# Altium PCB PCB_Chassisv1.0.PcbDoc (part 2 of 3)
Units mm, origin at the board's own origin, x right, y up, seen from the top; angles counter-clockwise.
Board outline 160 x 200 mm, 2 copper layers (Top Layer, Bottom Layer); 226 components, 223 nets, 912 pads, 760 vias.
Unrouted connection lines stored in the file: 149.
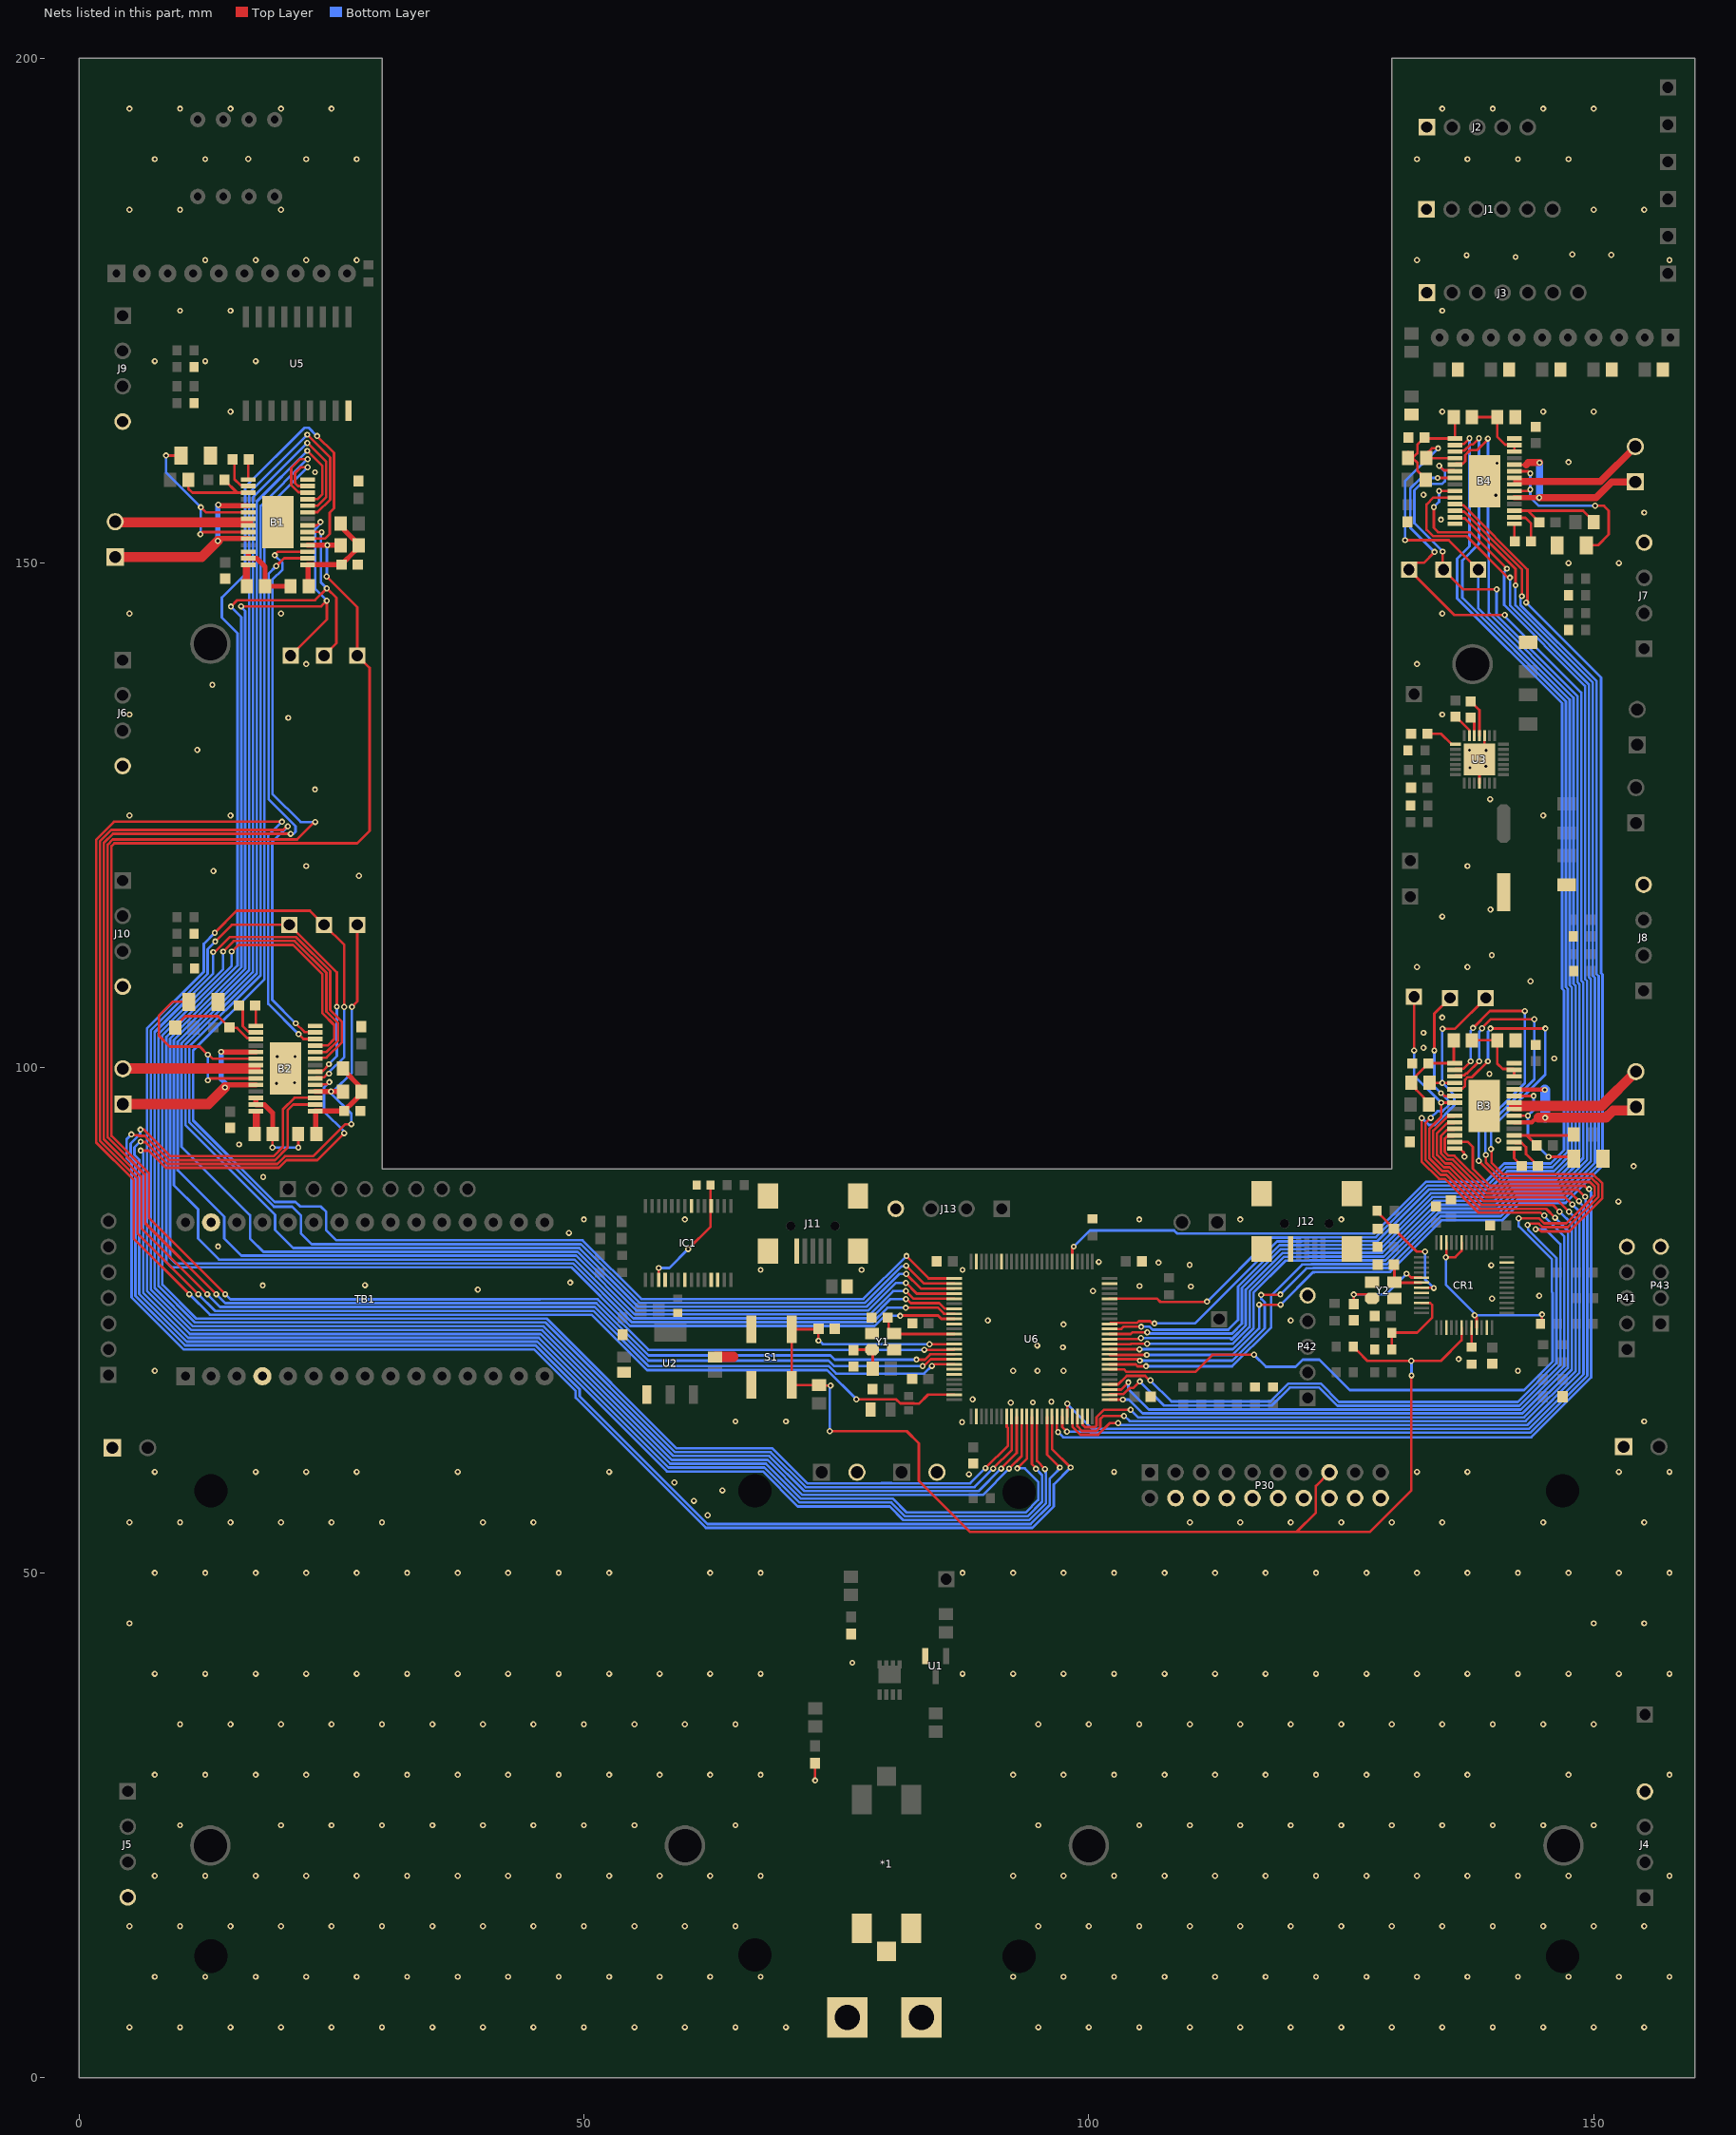
[diagram p2: the nets of this part, all layers, seen from the top]

## Via types
v1: diameter 0.6, hole 0.3, Top Layer to Bottom Layer, tented both sides, 760 vias

## Nets (pads, with @x,y where several pads share a name; then routed paths per layer and width w, separated by ;. In a path a pad name is that pad's centre, name@x,y a point inside that pad or via, vN(x,y) a via of type N, cw(c..) or ccw(c..) an arc to the next point about the centre after c; other vN are vias at no path point) (continued)
GND: B1.14 B1.28 B1.29 B2.14 B2.28 B2.29 B3.14 B3.28 B3.29 B4.14 B4.28 B4.29 C1.1 C2.1 C10.2 C12.1 C13.2 C18.2 C19.2 C20.1 C21.1 C26.2 C27.2 C28.1 C29.1 C30.1 C31.1 C32.1 C33.1 C34.1 C35.1 C36.1 C37.1 C38.1 C39.1 C40.1 C41.1 C42.1 C43.1 C44.1 C45.1 C46.1 C47.1 C48.1 C49.1 C50.1 C51.1 CR1.8 CR1.23 CR1.35 CR1.47 D1.1 D2.1 D3.1 D10.1 D11.1 D12.1 D13.1 D17.1 IC1.7 IC1.18 IC1.21 IC1.25 IC1.26 J1.1 J2.1 J3.1 J4.4 J5.4 J6.4 J7.4 J8.4 J9.4 J10.4 J11.5 J11.SH1 J11.SH2 J11.SH3 J11.SH4 J12.5 J12.SH1 J12.SH2 J12.SH3 J12.SH4 J13.4 P2.2 P3.1 P4.1 P5.2 P6.1 P30.4 P30.6 P30.8 P30.10 P30.12 P30.14 P30.16 P30.18 P30.20 P41.5 P42.5 P43.4 R6.1 R7.1 R8.1 R9.1 R10.1 R12.1 R22.1 R23.1 R26.1 R27.1 R28.1 R32.1 R34.1 R35.1 R38.1 R39.1 R42.2 R43.2 R53.1 R54.1 R55.1 R56.1 R65.1 R66.1 R67.1 R68.1 R76.1 R77.1 R78.1 R92.1 R93.1 R94.1 S1.2 TB1.4 TB1.29 U1.2 U2.1 U3.3 U3.18 U3.29 U5.9 U6.10 U6.19 U6.20 U6.27 U6.49 U6.74 U6.94 U6.99 Y1.2 Y1.4 Y2.2 Y2.4 | length 14
  Top Layer w0.254: v1(72.898,29.439) D1.1@72.898,31.154 ; B3.28@136.237,92.022 136.75,92.022 137.145,91.627 137.145,91.278 v1(137.211,91.211) ; U3.18@138.684,128.194 U3.29@138.684,130.556 139.192,131.064 U3.3@139.192,132.918
  Top Layer w0.7: B1.14@16.581,149.657 16.581,147.746 R55.1@16.626,147.701 ; R56.1@17.388,93.472 17.551,93.635 17.551,95.428
  Top Layer w1: C1.1@62.992,71.362 63.029,71.399 64.795,71.399
  other v1: 5,5 10,5 15,5 20,5 25,5 30,5 35,5 40,5 45,5 50,5 55,5 60,5 65,5 70,5 95,5 100,5 105,5 110,5 115,5 120,5 125,5 130,5 135,5 140,5 145,5 150,5 155,5 7.5,10 12.5,10 17.5,10 22.5,10 27.5,10 32.5,10 37.5,10 42.5,10 47.5,10 52.5,10 57.5,10 62.5,10 67.5,10 92.5,10 97.5,10 102.5,10 107.5,10 112.5,10 117.5,10 122.5,10 127.5,10 132.5,10 137.5,10 142.5,10 147.5,10 152.5,10 157.5,10 5,15 10,15 15,15 20,15 25,15 30,15 35,15 40,15 45,15 50,15 55,15 60,15 65,15 95,15 100,15 105,15 110,15 115,15 120,15 125,15 130,15 135,15 140,15 145,15 150,15 155,15 7.5,20 12.5,20 17.5,20 22.5,20 27.5,20 32.5,20 37.5,20 42.5,20 47.5,20 52.5,20 57.5,20 62.5,20 67.5,20 92.5,20 97.5,20 102.5,20 107.5,20 112.5,20 117.5,20 122.5,20 127.5,20 132.5,20 137.5,20 142.5,20 147.5,20 157.5,20 10,25 20,25 25,25 30,25 35,25 40,25 45,25 50,25 55,25 65,25 95,25 105,25 110,25 115,25 120,25 125,25 130,25 135,25 140,25 145,25 150,25 7.5,30 12.5,30 17.5,30 22.5,30 27.5,30 32.5,30 37.5,30 42.5,30 47.5,30 52.5,30 57.5,30 62.5,30 67.5,30 92.5,30 97.5,30 102.5,30 107.5,30 112.5,30 117.5,30 122.5,30 127.5,30 132.5,30 137.5,30 147.5,30 157.5,30 10,35 15,35 20,35 25,35 30,35 35,35 40,35 45,35 50,35 55,35 60,35 65,35 95,35 100,35 105,35 110,35 115,35 120,35 125,35 130,35 135,35 140,35 145,35 150,35 7.5,40 12.5,40 17.5,40 22.5,40 27.5,40 32.5,40 37.5,40 42.5,40 47.5,40 52.5,40 57.5,40 62.5,40 67.5,40 87.5,40 92.5,40 97.5,40 102.5,40 107.5,40 112.5,40 117.5,40 122.5,40 127.5,40 132.5,40 137.5,40 142.5,40 147.5,40 152.5,40 157.5,40 76.581,41.097 5,45 150,45 155,45 7.5,50 12.5,50 17.5,50 22.5,50 27.5,50 32.5,50 37.5,50 42.5,50 47.5,50 52.5,50 62.5,50 67.5,50 87.5,50 92.5,50 97.5,50 102.5,50 107.5,50 112.5,50 117.5,50 122.5,50 127.5,50 132.5,50 137.5,50 142.5,50 147.5,50 152.5,50 157.5,50 5,55 10,55 15,55 20,55 25,55 30,55 40,55 45,55 110,55 115,55 120,55 125,55 130,55 135,55 145,55 155,55 62.255,55.702 60.884,57.125 63.703,58.166 58.953,58.953 88.138,59.766 7.5,60 17.5,60 22.5,60 27.5,60 37.5,60 52.5,60 102.5,60 132.5,60 137.5,60 152.5,60 157.5,60 87.452,64.922 65,65 70,65 155,65 92.278,66.853 94.463,66.878 96.291,66.954 88.494,67.183 7.5,70 92.5,70 94.92,70.002 97.5,70 142.5,70 136.627,71.171 97.434,72.339 94.894,72.517 97.485,74.6 90,75 120,75 139.929,77.165 144.602,77.445 100.406,77.902 39.497,78.054 110.109,78.359 105.029,78.41 18.186,78.461 28.321,78.486 48.641,78.74 67.5,80 77.5,80 87.5,80 139.852,80.467 109.982,80.493 106.909,80.721 100.99,80.797 13.767,82.321 48.514,83.668 50,85 60,85 105,85 115,85 125,85 152.451,86.766 18.237,89.205 153.949,90.272 15.85,92.431 140.538,92.837 19.558,98.476 21.336,98.552 139.675,99.416 146.101,100.94 19.634,101.143 21.387,101.143 133.147,102.006 133.147,103.48 135,105 143.739,108.585 132.5,110 137.5,110 139.903,111.176 135,115 139.776,115.697 27.711,119.024 13.31,119.507 22.5,120 137.5,120 5,125 15,125 145,125 139.751,126.619 23.368,127.584 137.744,129.743 139.319,129.87 139.344,131.445 137.693,131.47 11.709,131.496 20.726,134.671 5,135 135,135 13.208,137.947 22.5,140 132.5,140 5,145 20,145 135,145 147.5,150 152.5,150 134.874,154.305 155,155 140.31,156.718 133.147,156.769 23.368,159.004 140.411,159.893 147.5,160 15,165 135,165 145,165 150,165 7.5,170 12.5,170 17.5,170 10,175 15,175 135,175 12.5,180 17.5,180 22.5,180 27.5,180 132.5,180 157.5,180 142.265,180.315 137.414,180.492 151.74,180.518 147.879,180.569 5,185 10,185 20,185 150,185 155,185 7.5,190 12.5,190 22.5,190 27.5,190 132.5,190 137.5,190 142.5,190 147.5,190 16.763,190.025 5,195 10,195 15,195 20,195 25,195 135,195 140,195 145,195 150,195
M1-3.3V: B1.15 C20.2 R47.2 R49.2 R51.2 | length 11.1
  Top Layer w0.5: R49.2@22.744,147.701 22.684,147.762 22.684,149.801 22.659,149.826 B1.15@22.623,149.826 22.64,149.843 25.98,149.843 C20.2@25.997,149.86 27.347,151.21 27.347,151.415 R47.2@27.697,151.765 27.697,151.865 26.247,153.315 26.247,153.574 R51.2@25.897,153.924
M2-3.3V: B2.15 C21.2 R48.2 R50.2 R52.2 | length 10.8
  Top Layer w0.5: R50.2@23.506,93.472 23.446,93.533 23.446,95.699 23.421,95.724 B2.15@23.385,95.724 23.402,95.741 26.234,95.741 C21.2@26.251,95.758 27.208,96.715 27.781,97.288 27.781,97.393 27.951,97.563 R48.2@27.951,97.663 27.951,98.038 26.14,99.849 R52.2@26.14,99.949
M3-3.3V: B3.15 C28.2 R59.2 R60.2 R63.2 | length 10.4
  Top Layer w0.254: R63.2@133.742,96.393 133.742,96.493 132.415,97.82 132.415,98.079 R59.2@131.942,98.552 132.415,99.025 132.415,99.23 C28.2@133.642,100.457 133.657,100.472 136.139,100.472 B3.15@136.237,100.472 136.139,100.57 136.139,102.737 R60.2@136.133,102.743
M4-3.3V: B4.15 C29.2 R61.2 R62.2 R64.2 | length 10.9
  Top Layer w0.254: R61.2@131.342,160.696 R61.2@131.646,160.999 ; R64.2@133.361,158.242 133.361,158.342 132.542,159.161 132.542,159.928 132.069,160.401 132.54,160.872 132.54,161.712 C29.2@133.261,162.433 133.354,162.34 B4.15@136.254,162.34 136.254,164.344 R62.2@136.133,164.465
Net*1_1: *1.1 P1.1
NetB1_1: B1.1 C14.1 | length 2
  Top Layer w0.254: B1.1@16.747,158.276 16.747,160.219 C14.1@16.802,160.274
NetB1_2: B1.2 C14.2 | length 3.7
  Top Layer w0.254: C14.2@15.202,160.274 15.392,160.084 15.392,158.309 15.977,157.724 16.649,157.724 B1.2@16.747,157.626
NetB1_3: B1.3 C16.2 R45.2 | length 9.7
  Top Layer w0.254: R45.2@10.817,157.669 R45.2@10.817,158.242 10.82,158.239 10.82,157.378 11.223,156.976 16.382,156.976 16.408,157.003 15.628,157.003 C16.2@14.389,158.242
NetB1_5: B1.5 B1.10 P11.1 | length 20.6
  Top Layer w0.5: v1(13.741,152.197) 13.971,152.426 B1.10@16.747,152.426 ; v1(13.793,155.783) 13.9,155.676 B1.5@16.747,155.676
  Top Layer w1: P11.1@3.581,150.602 12.146,150.602 v1(13.741,152.197)
  Bottom Layer w0.254: v1@13.793,155.717 v1(13.793,155.783)
  Bottom Layer w0.5: v1(13.741,152.197) 13.741,155.731 v1(13.793,155.783)
NetB1_6: B1.6 B1.9 R53.2 | length 20.5
  Top Layer w0.254: v1(8.611,160.655) R53.2@10.107,160.655 ; v1(12.014,152.857) 12.233,153.076 B1.9@16.747,153.076 ; v1(12.065,155.528) 12.572,155.02 16.601,155.02 16.677,155.096 B1.6@16.747,155.026
  Bottom Layer w0.254: v1(8.611,160.655) 8.611,158.982 v1(12.065,155.528) 12.014,155.477 12.04,155.451 12.04,152.883 v1(12.014,152.857)
NetB1_7: B1.7 B1.8 P11.2 | length 13.2
  Top Layer w1: P11.2@3.581,154.102 3.632,154.051 16.747,154.051
NetB1_12: B1.12 B1.13 R49.1 R55.2 | length 6.9
  Top Layer w0.5: B1.12@16.747,150.927 B1.13@16.747,150.476 16.772,150.451 17.618,150.451 18.426,149.643 R55.2@18.426,147.701 R49.1@20.944,147.701
NetB1_16: B1.16 U6.17 | length 176.7
  Top Layer w0.254: v1(12.7,77.597) 6.167,84.13 6.167,89.24 2.453,92.953 2.453,94.183 2.453,121.971 2.453,122.286 3.356,123.189 v1(20.954,123.189) ; v1(19.533,149.708) 20.301,150.476 B1.16@22.623,150.476 ; v1(83.541,70.485) 83.672,70.485 84.339,71.152 U6.17@86.681,71.152
  Bottom Layer w0.254: v1(12.7,77.597) 13.97,76.327 51.076,76.327 56.385,71.018 74.23,71.018 74.763,70.485 v1(83.541,70.485) ; v1(19.533,149.708) 18.771,148.946 18.771,126.619 21.439,123.951 21.439,123.39 21.238,123.189 v1(20.954,123.189)
NetB1_17: B1.17 U6.16 | length 179.7
  Top Layer w0.254: v1(13.589,77.597) 6.548,84.638 6.548,89.397 2.834,93.111 2.834,93.599 2.834,121.971 2.834,122.129 3.341,122.635 21.594,122.635 23.317,124.358 v1(23.393,124.358) ; v1(19.38,150.774) 19.38,150.825 19.685,151.13 21.053,151.13 21.057,151.126 B1.17@22.623,151.126 ; v1(82.931,71.12) 83.768,71.12 84.288,71.64 86.669,71.64 U6.16@86.681,71.652
  Bottom Layer w0.254: v1(13.589,77.597) 14.478,76.708 51.234,76.708 56.411,71.531 74.422,71.531 74.833,71.12 v1(82.931,71.12) ; v1@19.391,150.774 v1(19.38,150.774) 20.155,150 20.155,149.365 19.152,148.361 19.152,127.152 21.946,124.358 v1(23.393,124.358)
NetB1_18: B1.18 P20.1 R47.1 U6.15 | length 183.1
  Top Layer w0.254: v1(14.478,77.597) 6.929,85.146 6.929,89.555 3.215,93.269 3.215,121.971 3.498,122.254 27.56,122.254 28.775,123.469 28.775,139.627 P20.1@27.559,140.843 27.559,145.644 24.536,148.666 v1(24.511,148.666) ; v1(83.714,72.09) 86.619,72.09 U6.15@86.681,72.152
  Top Layer w0.5: B1.18@22.623,151.776 22.628,151.771 25.892,151.771 R47.1@25.897,151.765
  Bottom Layer w0.254: v1(14.478,77.597) 14.986,77.089 45.669,77.089 45.679,77.099 51.382,77.099 56.391,72.09 v1(83.714,72.09) ; v1(24.511,148.666) 24.552,148.707 24.552,151.73 v1(24.593,151.771)
NetB1_19: B1.19 U6.9 | length 185.3
  Top Layer w0.254: B1.19@22.623,152.426 24.364,152.426 24.821,152.883 24.821,155.008 25.248,155.435 25.248,160.909 v1(23.571,162.585) ; v1(81.321,75.453) 81.348,75.481 85.073,75.481 85.401,75.152 U6.9@86.681,75.152
  Bottom Layer w0.254: v1(23.571,162.585) 22.758,163.398 22.327,163.398 16.459,157.531 16.459,148.901 14.148,146.59 14.148,144.602 15.697,143.053 15.697,140.843 15.697,110.144 8.631,103.078 8.631,80.805 9.173,80.264 48.755,80.264 54.567,74.452 78.783,74.452 79.784,75.453 v1(81.321,75.453)
NetB1_20: B1.20 P19.1 U6.8 | length 174.1
  Top Layer w0.254: v1(15.037,145.694) 15.672,146.329 23.368,146.329 v1(24.536,147.498) 25.476,146.558 25.476,142.062 P19.1@24.257,140.843 ; B1.20@22.623,153.076 22.628,153.081 24.008,153.081 v1(24.028,153.06) ; v1(81.864,76.251) 81.89,76.276 85.039,76.276 85.65,75.665 86.668,75.665 U6.8@86.681,75.652
  Bottom Layer w0.254: v1(15.037,145.694) 16.078,144.653 16.078,143.612 16.078,109.986 9.012,102.92 9.012,81.178 9.546,80.645 48.913,80.645 54.725,74.833 78.625,74.833 80.042,76.251 v1(81.864,76.251) v1@81.817,76.204 ; v1(24.028,153.06) 23.956,152.988 23.956,148.078 v1(24.536,147.498)
NetB1_21: B1.21 P18.1 U6.7 | length 171.6
  Top Layer w0.254: v1(16.053,145.72) 23.978,145.72 v1(24.536,146.279) 24.536,144.424 P18.1@20.955,140.843 ; B1.21@22.623,153.726 23.562,153.726 v1(23.901,154.065) ; v1(81.89,77.114) 81.956,77.114 82.363,76.708 85.192,76.708 85.735,76.165 86.668,76.165 U6.7@86.681,76.152
  Bottom Layer w0.254: v1(16.053,145.72) 16.053,145.653 16.459,145.247 16.459,144.12 16.459,109.828 9.393,102.762 9.393,88.397 11.786,86.004 11.786,83.109 13.868,81.026 49.071,81.026 54.883,75.214 78.467,75.214 80.367,77.114 v1(81.89,77.114) ; v1(23.901,154.065) 23.901,153.873 23.397,153.369 23.397,147.418 v1(24.536,146.279)
NetB1_23: B1.23 U6.5 | length 173.6
  Top Layer w0.254: v1(22.606,162.712) 24.867,160.452 24.867,156.286 23.622,155.042 22.639,155.042 B1.23@22.623,155.026 ; v1(81.89,77.902) 82.639,77.152 U6.5@86.681,77.152
  Bottom Layer w0.254: v1(22.606,162.712) 16.84,156.947 16.84,109.67 9.774,102.604 9.774,89.87 14.376,85.268 14.376,83.109 16.078,81.407 49.229,81.407 55.041,75.595 78.309,75.595 80.616,77.902 v1(81.89,77.902)
NetB1_24: B1.24 U6.4 | length 169.4
  Top Layer w0.254: v1(22.606,161.9) 24.486,160.02 24.486,156.54 23.622,155.677 B1.24@22.623,155.676 ; v1(81.89,78.715) 82.952,77.652 U6.4@86.681,77.652
  Bottom Layer w0.254: v1(22.606,161.9) 17.221,156.515 17.221,109.512 10.155,102.447 10.155,92.207 16.942,85.42 16.942,83.109 18.263,81.788 49.387,81.788 55.199,75.976 78.151,75.976 80.89,78.715 v1(81.89,78.715)
NetB1_25: B1.25 U6.3 | length 164.8
  Top Layer w0.254: v1(22.606,161.112) 24.105,159.614 24.105,156.845 23.597,156.337 22.634,156.337 B1.25@22.623,156.326 ; v1(81.915,79.604) 83.367,78.152 U6.3@86.681,78.152
  Bottom Layer w0.254: v1(22.606,161.112) 17.602,156.108 17.602,109.354 10.536,102.289 10.536,94.34 19.406,85.471 19.406,83.972 21.209,82.169 49.545,82.169 55.356,76.357 77.994,76.357 81.24,79.604 v1(81.915,79.604)
NetB1_26: B1.26 U6.2 | length 162.6
  Top Layer w0.254: B1.26@22.623,156.976 22.619,156.972 22.568,157.023 21.717,157.023 21.006,157.734 21.006,159.41 21.895,160.299 v1(22.631,160.299) ; v1(81.915,80.416) 83.679,78.652 U6.2@86.681,78.652
  Bottom Layer w0.254: v1(22.631,160.299) 17.983,155.651 17.983,109.197 10.917,102.131 10.917,94.645 19.304,86.258 21.107,86.258 21.971,85.395 21.971,83.617 23.038,82.55 49.702,82.55 55.514,76.738 77.836,76.738 81.467,80.369 81.868,80.369 v1(81.915,80.416)
NetB1_27: B1.27 U6.1 | length 159.7
  Top Layer w0.254: B1.27@22.623,157.626 22.617,157.632 21.692,157.632 21.387,157.937 21.387,158.928 21.946,159.487 v1(22.631,159.487) ; v1(81.94,81.382) 81.94,81.356 84.145,79.152 U6.1@86.681,79.152
  Bottom Layer w0.254: v1(22.631,159.487) 18.364,155.219 18.364,108.816 11.298,101.75 11.298,94.803 19.36,86.741 21.438,86.741 21.895,86.284 23.952,86.284 24.486,85.75 24.486,83.922 25.476,82.931 49.86,82.931 55.672,77.119 77.678,77.119 v1(81.94,81.382)
NetB2_1: B2.1 C15.1 | length 2
  Top Layer w0.254: C15.1@17.437,106.172 17.509,106.1 B2.1@17.509,104.174
NetB2_2: B2.2 C15.2 | length 3.7
  Top Layer w0.254: C15.2@15.837,106.172 16.21,105.799 16.21,104.151 16.739,103.622 17.411,103.622 B2.2@17.509,103.524
NetB2_3: B2.3 C17.1 R46.2 | length 9.5
  Top Layer w0.254: R46.2@9.525,103.913 R46.2@9.525,104.013 9.525,104.113 10.543,105.131 13.779,105.131 C17.1@14.897,104.013 14.948,103.962 15.646,103.962 16.637,102.972 17.411,102.972 B2.3@17.509,102.874
NetB2_5: B2.5 B2.10 P13.1 | length 21.1
  Top Layer w0.5: v1(14.072,101.6) 14.098,101.574 B2.5@17.509,101.574 ; v1(14.453,98.069) 14.707,98.324 B2.10@17.509,98.324
  Top Layer w1: P13.1@4.343,96.424 12.807,96.424 v1(14.453,98.069)
  Bottom Layer w0.5: v1(14.072,101.6) 14.072,98.908 14.453,98.527 v1(14.453,98.069)
NetB2_6: B2.6 B2.9 R54.2 | length 23.4
  Top Layer w0.254: R54.2@10.869,106.553 9.271,106.553 7.925,105.207 7.925,103.175 8.988,102.112 11.959,102.112 v1(12.751,101.321) 12.817,101.321 13.214,100.924 B2.6@17.509,100.924 ; v1(12.751,98.781) 12.944,98.974 B2.9@17.509,98.974
  Bottom Layer w0.254: v1(12.751,98.781) v1(12.751,101.321)
NetB2_7: B2.7 B2.8 P13.2 | length 13.2
  Top Layer w1: P13.2@4.343,99.924 4.369,99.949 17.509,99.949
NetB2_12: B2.12 B2.13 R50.1 R56.2 | length 10
  Top Layer w0.254: v1(19.152,92.126) 19.152,93.436 R56.2@19.188,93.472 ; R50.1@21.706,93.472 21.717,93.461 v1(21.717,92.126)
  Top Layer w0.5: B2.12@17.509,97.024 B2.13@17.509,96.374 17.534,96.349 18.38,96.349 19.188,95.541 R56.2@19.188,93.472
  Bottom Layer w0.254: v1(19.152,92.126) v1(21.717,92.126)
NetB2_16: B2.16 U6.42 | length 152.6
  Top Layer w0.254: v1(5.182,93.421) 5.248,93.355 5.846,93.355 5.935,93.266 6.525,93.266 8.91,90.881 19.411,90.881 20.65,92.12 20.65,95.829 21.195,96.374 B2.16@23.385,96.374 ; U6.42@96.361,65.472 96.361,62.262 v1(98.196,60.427)
  Bottom Layer w0.254: v1(5.182,93.421) 4.724,92.964 4.724,91.074 5.202,90.596 5.202,77.282 10.349,72.136 45.066,72.136 49.187,68.015 49.187,67.348 62.078,54.458 94.395,54.458 96.52,56.583 96.52,58.75 v1(98.196,60.427)
NetB2_17: B2.17 U6.41 | length 150.8
  Top Layer w0.254: v1(6.088,93.896) 6.434,93.896 9.068,91.262 19.253,91.262 20.193,92.202 20.193,95.91 21.336,97.053 23.356,97.053 B2.17@23.385,97.024 ; U6.41@95.861,65.472 95.861,61.695 v1(97.13,60.427)
  Bottom Layer w0.254: v1(6.088,93.896) 6.055,93.863 6.055,93.453 5.105,92.503 5.105,91.231 5.583,90.753 5.583,77.44 10.506,72.517 45.224,72.517 49.568,68.173 49.568,67.506 62.235,54.839 94.237,54.839 96.139,56.741 96.139,59.333 96.897,60.091 96.897,60.127 97.13,60.36 v1(97.13,60.427)
NetB2_18: B2.18 P32.1 R48.1 U6.39 | length 172.3
  Top Layer w0.254: v1(6.096,92.71) 6.143,92.663 6.589,92.663 8.752,90.5 19.634,90.5 20.396,91.262 23.194,91.262 26.369,94.437 v1(26.975,94.437) ; v1(27.026,106.045) 27.559,106.578 P32.1@27.559,114.173 ; U6.39@94.861,65.472 94.861,61.07 v1(95.655,60.276)
  Top Layer w0.5: B2.18@23.385,97.674 23.39,97.669 v1(24.96,97.669) 26.146,97.669 R48.1@26.151,97.663
  Bottom Layer w0.254: v1(6.096,92.71) 6.045,92.71 5.486,92.151 5.486,91.389 5.964,90.911 5.964,77.598 10.664,72.898 45.382,72.898 58.235,60.045 67.718,60.045 71.183,56.579 80.276,56.579 81.636,55.22 94.079,55.22 95.758,56.899 95.758,59.848 95.721,59.885 95.721,60.21 v1(95.655,60.276) ; v1(26.975,94.437) 26.975,95.462 24.96,97.476 v1(24.96,97.669) 25.152,97.669 27.026,99.542 v1(27.026,106.045)
NetB2_19: B2.19 U6.38 | length 151.7
  Top Layer w0.254: v1(6.096,91.821) 6.893,91.821 8.594,90.119 19.792,90.119 20.554,90.881 23.597,90.881 v1(26.264,93.548) ; B2.19@23.385,98.324 23.443,98.382 24.504,98.382 24.724,98.603 v1(24.79,98.603) ; U6.38@94.361,65.472 94.361,60.773 94.767,60.366 v1(94.767,60.3)
  Bottom Layer w0.254: v1(6.096,91.821) 6.117,91.821 6.345,91.592 6.345,77.756 10.822,73.279 45.539,73.279 58.392,60.427 67.874,60.427 71.341,56.96 80.448,56.96 81.808,55.601 93.921,55.601 95.377,57.057 95.377,59.69 v1(94.767,60.3) ; v1(24.79,98.603) 24.264,98.076 24.264,95.675 26.264,93.675 v1(26.264,93.548)
NetB2_20: B2.20 P29.1 U6.37 | length 176.1
  Top Layer w0.254: v1(13.437,113.386) 15.621,115.57 22.86,115.57 P29.1@24.257,114.173 26.264,112.166 v1(26.264,106.045) ; B2.20@23.385,98.974 23.483,99.072 24.244,99.072 24.613,99.441 v1(24.752,99.441) ; v1(92.913,60.35) 93.861,61.298 U6.37@93.861,65.472
  Bottom Layer w0.254: v1(13.437,113.386) 12.349,112.298 12.349,109.53 6.726,103.907 6.726,77.913 10.98,73.66 45.697,73.66 58.548,60.809 68.03,60.809 71.498,57.341 80.606,57.341 81.966,55.982 93.763,55.982 94.996,57.214 94.996,59.004 93.65,60.35 v1(92.913,60.35) ; v1(24.752,99.441) 24.752,99.581 26.264,101.092 v1(26.264,106.045)
NetB2_21: B2.21 P28.1 U6.36 | length 163.1
  Top Layer w0.254: v1(13.487,112.522) 15.138,114.173 P28.1@20.828,114.173 25.527,109.474 v1(25.527,106.07) ; B2.21@23.385,99.624 23.483,99.722 24.155,99.722 24.693,100.26 24.693,100.334 v1(24.74,100.381) ; v1(92.1,60.325) 93.361,61.586 U6.36@93.361,65.472
  Bottom Layer w0.254: v1(13.487,112.522) 12.73,111.765 12.73,109.332 7.107,103.709 7.107,78.071 11.138,74.041 45.855,74.041 58.706,61.19 68.188,61.19 71.656,57.722 89.498,57.722 v1(92.1,60.325) ; v1(24.74,100.381) 25.527,101.168 v1(25.527,106.07)
NetB2_23: B2.23 U6.35 | length 159
  Top Layer w0.254: v1(13.284,111.481) 13.441,111.481 14.914,112.954 21.508,112.954 24.871,109.592 24.871,105.736 26.035,104.572 26.035,102.554 24.503,101.022 23.483,101.022 B2.23@23.385,100.924 ; v1(91.313,60.325) 92.861,61.873 U6.35@92.861,65.472
  Bottom Layer w0.254: v1(13.284,111.481) 13.284,109.347 7.488,103.551 7.488,78.229 11.296,74.422 46.013,74.422 58.863,61.571 68.346,61.571 71.814,58.103 89.091,58.103 v1(91.313,60.325)
NetB2_24: B2.24 U6.34 | length 155.3
  Top Layer w0.254: v1(14.275,111.531) 15.316,112.573 21.351,112.573 24.49,109.434 24.49,105.578 25.654,104.414 25.654,102.712 24.516,101.574 B2.24@23.385,101.574 ; v1(90.526,60.325) 92.375,62.174 92.375,64.497 92.374,64.498 92.374,65.459 U6.34@92.361,65.472
  Bottom Layer w0.254: v1(14.275,111.531) 14.275,109.799 7.869,103.393 7.869,78.387 11.453,74.803 46.171,74.803 59.021,61.952 68.504,61.952 71.972,58.484 88.685,58.484 v1(90.526,60.325)
NetB2_25: B2.25 U6.33 | length 151.7
  Top Layer w0.254: v1(15.113,111.531) 15.773,112.192 21.193,112.192 24.109,109.276 24.109,105.421 25.273,104.256 25.273,102.87 24.627,102.224 B2.25@23.385,102.224 ; v1(89.764,60.377) 91.994,62.608 91.994,64.339 91.874,64.459 91.874,65.459 U6.33@91.861,65.472
  Bottom Layer w0.254: v1(15.113,111.531) 15.113,110.098 8.25,103.236 8.25,78.545 11.611,75.184 46.329,75.184 59.179,62.333 68.662,62.333 72.13,58.865 79.439,58.865 79.451,58.877 80.491,58.877 80.503,58.865 88.252,58.865 v1(89.764,60.377)
NetB2_26: B2.26 U6.24 | length 173.3
  Top Layer w0.254: v1(10.922,77.597) 5.405,83.114 5.405,88.924 1.691,92.638 1.691,93.644 1.691,121.971 1.691,122.602 3.473,124.384 v1(20.091,124.384) ; v1(21.742,103.353) 22.221,102.874 B2.26@23.385,102.874 ; v1(76.987,67.183) 80.918,67.183 81.325,66.777 82.704,66.777 82.729,66.751 83.185,66.751 84.086,67.652 U6.24@86.681,67.652
  Bottom Layer w0.254: v1(10.922,77.597) 12.954,75.565 50.76,75.565 56.247,70.079 74.092,70.079 v1(76.987,67.183) ; v1(20.091,124.384) 18.745,123.038 18.745,106.35 v1(21.742,103.353)
NetB2_27: B2.27 U6.18 | length 170
  Top Layer w0.254: v1(11.811,77.597) 5.786,83.622 5.786,89.082 2.072,92.795 2.072,93.914 2.072,121.971 2.072,122.444 3.198,123.57 20.226,123.57 20.582,123.927 v1(20.676,123.927) ; v1(21.456,104.422) 22.313,103.565 23.344,103.565 B2.27@23.385,103.524 ; v1(84.46,70.49) 84.553,70.49 84.716,70.652 U6.18@86.681,70.652
  Bottom Layer w0.254: v1(11.811,77.597) 13.462,75.946 50.918,75.946 56.374,70.49 74.219,70.49 74.981,69.728 83.698,69.728 v1(84.46,70.49) ; v1(20.676,123.927) 19.126,122.377 19.126,106.752 v1(21.456,104.422)
NetB3_1: B3.1 C22.1 | length 2.1
  Top Layer w0.254: B3.1@142.075,91.984 B3.1@142.113,92.022 142.113,91.059 C22.1@142.875,90.297
NetB3_2: B3.2 C22.2 | length 3.7
  Top Layer w0.254: B3.2@142.113,92.672 142.211,92.574 142.883,92.574 143.302,92.155 143.302,91.47 C22.2@144.475,90.297
NetB3_3: B3.3 C24.1 R57.2 | length 7.4
  Top Layer w0.254: B3.3@142.113,93.322 143.368,93.322 ; C24.1@144.361,92.329 143.368,93.322 ; R57.2@148.009,93.042 R57.2@148.009,93.142 ; R57.2@148.02,93.322 143.368,93.322
NetB3_5: B3.5 B3.10 P12.1 | length 18.5
  Top Layer w0.4: B3.5@142.113,94.622 143.885,94.622 144.335,95.072 144.547,95.072 ; B3.10@142.113,97.872 142.129,97.856 143.782,97.856 143.784,97.858 145.128,97.858 v1@145.136,97.866
  Top Layer w1: 144.547,95.072 v1(145.186,95.072) 151.205,95.072 151.922,95.789 153.828,95.789 P12.1@154.178,96.139
  Bottom Layer w1: v1(145.161,97.841) 145.186,97.815 v1(145.186,95.072)
NetB3_6: B3.6 B3.9 R65.2 | length 13.2
  Top Layer w0.254: B3.6@142.113,95.272 142.116,95.275 v1(143.485,95.275) ; B3.9@142.122,97.231 v1(144.043,97.231) ; v1(145.524,91.199) 147.839,91.199 R65.2@148.029,91.008 R65.2@147.864,90.843
  Bottom Layer w0.254: v1(144.043,97.231) 144.043,95.834 v1(143.485,95.275) 143.485,93.238 v1(145.524,91.199)
NetB3_7: B3.7 B3.8 P12.2 | length 13.5
  Top Layer w1: 142.088,96.241 150.78,96.241 P12.2@154.178,99.639
NetB3_12: B3.12 B3.13 R60.1 R67.2 | length 7.4
  Top Layer w0.254: R60.1@137.933,102.743 R67.2@140.451,102.743 140.451,100.443 140.994,99.899 142.036,99.899 B3.13@142.113,99.822 B3.12@142.113,99.172
NetB3_16: B3.16 U6.57 | length 113.6
  Top Layer w0.254: U6.57@102.041,70.152 103.501,70.152 103.747,69.906 110.546,69.906 112.243,71.603 v1(116.357,71.603) ; B3.16@136.237,99.822 136.335,99.92 137.08,99.92 v1(137.82,100.66) ; v1(138.049,103.962) 139.725,105.639 v1(143.18,105.639) ; v1(138.608,90.805) 140.695,88.717 149.623,88.717 150.095,88.245 150.095,87.412 147.295,84.611 145.079,84.611 144.575,85.115 v1(142.57,85.115)
  Bottom Layer w0.254: v1(116.357,71.603) 117.546,70.414 120.477,70.414 121.183,71.12 122.809,71.12 125.832,68.097 143.1,68.097 145.932,70.929 145.932,77.749 145.872,77.808 145.872,81.026 142.57,84.328 v1(142.57,85.115) ; v1(137.82,100.66) 137.82,103.667 138.049,103.896 v1(138.049,103.962) ; v1(138.608,90.805) 138.608,93.929 143.18,98.501 v1(143.18,105.639)
NetB3_17: B3.17 U6.54 | length 113.5
  Top Layer w0.254: U6.54@102.041,68.652 102.054,68.665 102.904,68.665 103.754,69.515 105.577,69.515 106.029,69.063 v1(106.096,69.063) ; B3.17@136.237,99.172 136.335,99.27 137.16,99.27 137.362,99.472 137.47,99.472 v1(138.659,100.66) ; v1(138.938,103.937) 139.827,104.826 v1(144.12,104.826) ; v1(139.319,91.389) 139.319,90.633 140.853,89.098 149.781,89.098 150.476,88.403 150.476,87.254 147.452,84.23 144.921,84.23 144.57,84.582 143.734,84.582 143.608,84.456 v1(143.45,84.456)
  Bottom Layer w0.254: v1(106.096,69.063) 108.179,66.98 118.003,66.98 119.768,68.745 122.954,68.745 124.766,66.933 142.475,66.933 146.313,70.771 146.313,81.17 143.497,83.985 143.497,84.409 v1(143.45,84.456) ; v1(138.659,100.66) 138.659,103.591 138.938,103.87 v1(138.938,103.937) ; v1(139.319,91.389) 139.273,91.435 139.273,94.036 144.12,98.882 v1(144.12,104.826)
NetB3_18: B3.18 P40.1 R59.1 U6.53 | length 103.5
  Top Layer w0.254: U6.53@102.041,68.152 103.204,68.152 v1(103.911,68.859) ; v1(132.959,95.037) 132.959,90.745 134.677,89.027 135.255,89.027 138.613,85.669 144.734,85.669 145.009,85.395 v1(145.11,85.395) ; R59.1@133.742,98.552 133.772,98.522 v1(135.004,98.522) B3.18@136.237,98.522 ; v1(135.026,103.886) 136.271,103.886 P40.1@139.319,106.934
  Bottom Layer w0.254: v1(103.911,68.859) 103.911,68.199 105.943,66.167 142.786,66.167 147.075,70.455 147.075,83.329 145.11,85.293 v1(145.11,85.395) ; v1(132.959,95.037) 133.004,95.037 133.68,94.361 134.248,94.361 136.195,96.308 136.195,97.332 v1(135.004,98.522) 135.004,103.864 v1(135.026,103.886)
NetB3_19: B3.19 U6.52 | length 114.8
  Top Layer w0.254: U6.52@102.041,67.652 102.098,67.709 103.434,67.709 104.03,68.305 104.399,68.305 v1(105.054,68.961) ; B3.19@136.237,97.872 136.335,97.97 137.007,97.97 137.263,98.227 137.263,98.834 137.52,99.091 137.953,99.091 v1(139.522,100.66) ; v1(139.776,103.911) v1(145.212,103.911) ; v1(139.827,91.973) 139.873,91.927 139.873,90.617 141.011,89.479 149.939,89.479 150.857,88.561 150.857,87.091 147.586,83.82 144.793,83.82 144.637,83.976 144.294,83.976 v1(144.247,84.023)
  Bottom Layer w0.254: v1(105.054,68.961) 107.442,66.573 118.135,66.573 119.913,68.351 120.449,68.351 120.462,68.364 122.796,68.364 124.608,66.552 142.632,66.552 146.694,70.613 146.694,82.541 145.212,84.023 v1(144.247,84.023) ; v1(139.522,100.66) 139.522,103.591 139.776,103.845 v1(139.776,103.911) ; v1(139.827,91.973) 139.827,94.005 140.513,94.691 140.538,94.691 145.212,99.365 v1(145.212,103.911)
NetB3_20: B3.20 P39.1 U6.51 | length 98.7
  Top Layer w0.254: U6.51@102.041,67.152 102.044,67.155 v1(103.375,67.155) ; v1(133.858,95.047) 133.34,94.529 133.34,90.903 134.835,89.408 135.413,89.408 138.77,86.05 145.293,86.05 v1(146.177,85.166) ; v1(134.214,101.727) 134.214,105.385 P39.1@135.763,106.934 ; v1(134.874,97.511) 134.941,97.511 135.245,97.206 136.221,97.206 B3.20@136.237,97.222 B3.20@136.139,97.32
  Bottom Layer w0.254: v1(103.375,67.155) 103.965,67.155 105.334,65.786 142.944,65.786 147.456,70.298 147.456,83.888 v1(146.177,85.166) ; v1(133.858,95.047) 134.539,95.728 134.746,95.728 ; v1(134.214,101.727) 134.214,98.171 v1(134.874,97.511) 135.712,96.672 135.712,96.393 135.024,95.704 134.746,95.704
NetB3_21: B3.21 P38.1 U6.48 | length 103
  Top Layer w0.254: U6.48@99.361,65.472 99.374,65.459 99.374,64.68 99.616,64.438 100.606,64.438 100.755,64.587 100.755,65.41 101.486,66.142 v1(104.14,66.142) ; v1(132.207,101.727) P38.1@132.207,107.061 ; B3.21@136.237,96.572 v1(134.899,96.571) v1(134.899,96.571) 134.899,95.145 133.721,93.967 133.721,91.061 134.993,89.789 135.571,89.789 138.928,86.431 145.953,86.431 v1(146.609,85.776)
  Bottom Layer w0.254: v1(104.14,66.142) 104.877,65.405 143.102,65.405 147.837,70.14 147.837,84.548 v1(146.609,85.776) ; v1(132.207,101.727) 132.207,99.263 v1(134.899,96.571)
NetB3_23: B3.23 U6.47 | length 91
  Top Layer w0.254: U6.47@98.861,65.472 98.861,64.512 99.316,64.057 100.764,64.057 101.136,64.429 101.136,65.253 101.415,65.532 v1(103.48,65.532) ; B3.23@136.237,95.272 136.139,95.174 135.467,95.174 134.102,93.809 134.102,91.218 135.151,90.17 135.728,90.17 139.086,86.812 146.512,86.812 v1(147.549,85.776)
  Bottom Layer w0.254: v1(103.48,65.532) 103.546,65.532 104.054,65.024 143.26,65.024 148.218,69.982 148.218,85.107 v1(147.549,85.776)
NetB3_24: B3.24 U6.46 | length 91.1
  Top Layer w0.254: U6.46@98.361,65.472 98.374,65.459 98.374,64.46 99.158,63.676 100.922,63.676 102.077,64.832 v1(102.906,64.832) ; B3.24@136.237,94.622 136.139,94.524 135.467,94.524 134.483,93.54 134.483,91.376 135.309,90.551 135.886,90.551 139.244,87.193 147.172,87.193 v1(147.879,86.487) v1@147.803,86.487
  Bottom Layer w0.254: v1(102.906,64.832) 102.961,64.832 103.149,64.643 143.418,64.643 148.599,69.824 148.599,85.767 v1(147.879,86.487)
NetB3_25: B3.25 U6.45 | length 92
  Top Layer w0.254: U6.45@97.861,65.472 97.864,65.475 97.864,66.749 v1(97.866,66.751) ; B3.25@136.237,93.972 136.139,93.874 135.467,93.874 134.864,93.271 134.864,91.534 135.466,90.932 136.044,90.932 139.402,87.574 147.782,87.574 v1(148.539,86.817)
  Bottom Layer w0.254: v1(97.866,66.751) 100.355,64.262 143.575,64.262 148.98,69.666 148.98,86.31 148.539,86.751 v1(148.539,86.817)
NetB3_26: B3.26 U6.44 | length 91.6
  Top Layer w0.254: U6.44@97.361,65.472 97.374,65.459 97.374,64.45 v1(97.837,63.987) ; B3.26@136.237,93.322 136.139,93.224 135.467,93.224 135.245,93.002 135.245,91.692 135.624,91.313 136.202,91.313 139.559,87.955 148.442,87.955 v1(149.149,87.249)
  Bottom Layer w0.254: v1(97.837,63.987) 100.091,63.987 100.198,63.881 143.733,63.881 149.361,69.509 149.361,86.468 149.196,86.633 149.196,87.202 v1(149.149,87.249)
NetB3_27: B3.27 U6.43 | length 92.3
  Top Layer w0.254: U6.43@96.861,65.472 96.848,65.459 96.848,64.041 v1(96.952,63.937) ; B3.27@136.237,92.672 137.545,92.672 138.02,92.197 138.02,90.034 139.717,88.336 149.103,88.336 149.423,88.016 v1(149.541,88.016)
  Bottom Layer w0.254: v1(96.952,63.937) 97.456,63.433 143.824,63.433 149.742,69.351 149.742,87.698 149.541,87.898 v1(149.541,88.016)
NetB4_1: B4.1 C23.1 | length 1.8
  Top Layer w0.254: B4.1@142.13,153.89 142.13,152.218 C23.1@142.202,152.146
NetB4_2: B4.2 C23.2 | length 3.7
  Top Layer w0.254: B4.2@142.13,154.54 142.187,154.483 143.231,154.483 143.802,153.911 C23.2@143.802,152.146
NetB4_3: B4.3 C25.1 R58.2 | length 10
  Top Layer w0.254: B4.3@142.13,155.19 143.476,155.19 ; C25.1@144.615,154.051 143.476,155.19 ; R58.2@149.998,154.051 149.998,154.151 148.959,155.19 143.476,155.19
NetB4_5: B4.5 B4.10 P14.1 | length 18.7
  Top Layer w0.254: B4.10@142.13,159.74 143.319,159.74
  Top Layer w0.5: B4.5@142.13,156.49 v1(144.602,156.49)
  Top Layer w0.7: 143.319,159.74 143.523,159.944 v1(144.628,159.944) ; v1(144.602,156.49) 150.243,156.49 151.797,158.044 P14.1@154.127,158.044
  Bottom Layer w0.7: v1(144.602,156.49) 144.628,156.515 v1(144.628,159.944)
NetB4_6: B4.6 B4.9 R66.2 | length 19
  Top Layer w0.254: B4.6@142.13,157.14 143.576,157.14 v1(143.713,157.277) ; B4.9@142.13,159.09 143.5,159.09 v1(143.713,158.877) ; R66.2@149.278,151.765 150.424,151.765 151.486,152.827 151.486,155.194 151.003,155.677 v1(150.139,155.677)
  Bottom Layer w0.254: v1(143.713,158.877) v1(143.713,157.277) 143.713,156.525 144.561,155.677 v1(150.139,155.677)
NetB4_7: B4.7 B4.8 P14.2 | length 14.4
  Top Layer w0.254: B4.7@142.13,157.79 B4.8@142.13,158.44 142.135,158.445 142.545,158.445 142.518,158.418 142.518,158.166
  Top Layer w0.7: 142.518,158.166 142.596,158.088 150.671,158.088 P14.2@154.127,161.544
NetB4_12: B4.12 B4.13 R62.1 R68.2 | length 7.1
  Top Layer w0.254: R62.1@137.933,164.465 R68.2@140.44,164.465 140.44,162.529 141.235,161.734 142.086,161.734 B4.13@142.13,161.69 B4.12@142.13,161.04
NetB4_16: B4.16 U6.80 | length 131.4
  Top Layer w0.254: U6.80@98.361,80.832 98.361,82.157 v1(98.509,82.305) ; B4.16@136.254,161.69 136.352,161.788 137.125,161.788 v1(137.693,162.357)
  Bottom Layer w0.254: v1(98.509,82.305) 100.121,83.917 108.451,83.917 108.763,83.605 120.791,83.605 120.798,83.612 128.266,83.612 133.397,88.743 139.322,88.743 141.124,90.545 145.735,90.545 147.062,91.871 147.062,107.67 146.863,107.869 146.863,136.119 136.474,146.507 136.474,150.431 137.693,151.651 v1(137.693,162.357)
NetB4_17: B4.17 U6.71 | length 130.3
  Top Layer w0.254: U6.71@102.041,77.152 106.769,77.152 107.091,76.83 111.679,76.83 v1(111.709,76.86) ; B4.17@136.254,161.04 136.352,161.138 137.177,161.138 137.786,161.747 138.024,161.747 v1(138.633,162.357)
  Bottom Layer w0.254: v1(111.709,76.86) 118.055,83.206 120.931,83.206 120.956,83.231 128.424,83.231 133.554,88.362 139.48,88.362 141.282,90.164 145.893,90.164 147.443,91.713 147.443,107.828 147.244,108.027 147.244,136.296 136.982,146.558 136.982,150.266 138.633,151.917 v1(138.633,162.357)
NetB4_18: B4.18 P35.1 R61.1 U6.66 | length 137.7
  Top Layer w0.254: U6.66@102.041,74.652 102.141,74.752 104.779,74.752 104.952,74.925 106.059,74.925 106.283,74.701 v1(106.502,74.701) ; v1(131.318,152.273) 135.636,152.273 P35.1@138.557,149.352 ; R61.1@133.412,160.426 133.412,160.818 133.96,161.366 v1(134.595,161.366) ; R61.1@133.869,160.39 B4.18@136.254,160.39
  Bottom Layer w0.254: v1(106.502,74.701) 110.512,74.701 112.142,76.331 112.147,76.331 118.641,82.825 121.089,82.825 121.114,82.85 128.581,82.85 133.712,87.981 139.638,87.981 141.439,89.783 146.051,89.783 147.824,91.556 147.824,107.985 147.625,108.185 147.625,136.474 138.557,145.542 P35.1@138.557,149.352 ; v1(131.318,152.273) 131.318,158.09 v1(134.595,161.366)
NetB4_19: B4.19 U6.65 | length 134.8
  Top Layer w0.254: U6.65@102.041,74.152 103.202,74.152 103.421,74.371 v1(105.181,74.371) ; B4.19@136.254,159.74 136.352,159.838 137.024,159.838 137.28,160.095 137.28,160.702 137.766,161.188 138.455,161.188 139.522,162.255 v1(139.522,162.331)
  Bottom Layer w0.254: v1(105.181,74.371) 106.016,74.371 106.308,74.079 113.808,74.079 114.783,75.054 114.783,78.357 118.87,82.444 121.247,82.444 121.272,82.469 128.739,82.469 133.87,87.6 139.795,87.6 141.597,89.402 146.209,89.402 148.205,91.398 148.205,108.143 148.006,108.342 148.006,136.67 139.611,145.065 139.611,152.627 139.522,152.716 v1(139.522,162.331)
NetB4_20: B4.20 P36.1 U6.64 | length 137.7
  Top Layer w0.254: U6.64@102.041,73.652 104.152,73.652 104.307,73.808 105.786,73.808 v1(105.791,73.812) ; v1(134.696,159.639) 135.147,159.188 136.156,159.188 B4.20@136.254,159.09 B4.20@136.219,159.055 ; v1(135.044,151.138) 135.044,149.436 P36.1@135.128,149.352 137.084,147.396 v1(140.386,147.396)
  Bottom Layer w0.254: v1(105.791,73.812) 105.905,73.698 114.195,73.698 115.164,74.667 115.164,78.199 119.028,82.063 121.405,82.063 121.429,82.088 128.897,82.088 134.028,87.219 139.953,87.219 141.671,88.936 146.282,88.936 148.586,91.24 148.586,108.301 148.387,108.5 148.387,136.828 140.386,144.829 v1(140.386,147.396) ; v1(134.696,159.639) 135.267,159.068 135.267,158.115 134.988,157.836 132.867,157.836 132.232,157.201 132.232,153.949 v1(135.044,151.138)
NetB4_21: B4.21 P37.1 U6.63 | length 140.4
  Top Layer w0.254: U6.63@102.041,73.152 105.054,73.152 v1(105.156,73.254) ; v1(134.239,151.105) 133.159,150.025 132.372,150.025 P37.1@131.699,149.352 136.19,144.861 v1(141.184,144.861) ; v1(134.546,158.44) B4.21@136.254,158.44
  Bottom Layer w0.254: v1(105.156,73.254) 114.004,73.254 114.146,73.111 115.545,74.509 115.545,78.041 119.186,81.682 121.563,81.682 121.587,81.707 129.055,81.707 134.186,86.838 140.126,86.838 141.843,88.555 146.44,88.555 148.967,91.082 148.967,108.459 148.768,108.658 148.768,137.16 141.184,144.743 v1(141.184,144.861) ; v1(134.239,151.105) 131.826,153.518 131.826,157.378 132.888,158.44 v1(134.546,158.44) v1@134.427,158.44
NetB4_23: B4.23 U6.62 | length 133.3
  Top Layer w0.254: U6.62@102.041,72.652 104.147,72.652 104.19,72.695 v1(105.766,72.695) ; v1(134.163,155.55) 134.163,153.492 134.595,153.06 137.795,153.06 v1(141.402,149.454) ; v1(134.686,157.14) B4.23@136.254,157.14
  Bottom Layer w0.254: v1(105.766,72.695) 114.269,72.695 115.926,74.351 115.926,77.883 119.344,81.301 121.72,81.301 121.745,81.326 129.213,81.326 134.344,86.457 140.283,86.457 142.001,88.174 146.598,88.174 149.348,90.924 149.348,108.617 149.149,108.816 149.149,137.83 141.122,145.856 141.122,149.108 141.402,149.387 v1(141.402,149.454) ; v1(134.163,155.55) 134.679,156.065 134.679,157.132 v1(134.686,157.14)
NetB4_24: B4.24 U6.61 | length 134.4
  Top Layer w0.254: U6.61@102.041,72.152 105.013,72.152 v1(105.029,72.136) ; B4.24@136.254,156.49 134.138,156.49 133.452,155.804 133.452,153.314 134.087,152.679 137.393,152.679 141.507,148.565 v1(141.707,148.565)
  Bottom Layer w0.254: v1(105.029,72.136) 105.034,72.141 114.254,72.141 116.307,74.193 116.307,77.726 119.501,80.92 121.878,80.92 121.903,80.945 129.371,80.945 134.501,86.076 140.492,86.076 142.194,87.778 146.741,87.778 149.729,90.766 149.729,108.774 149.53,108.974 149.53,137.987 141.707,145.811 v1(141.707,148.565)
NetB4_25: B4.25 U6.60 | length 130.1
  Top Layer w0.254: U6.60@102.041,71.652 102.111,71.582 105.735,71.582 v1(105.74,71.577) ; v1(116.865,76.556) v1(118.999,76.556) ; B4.25@136.254,155.84 136.352,155.742 137.066,155.742 143.437,149.371 143.437,146.231 v1(143.307,146.101)
  Bottom Layer w0.254: v1(105.74,71.577) 114.229,71.577 116.865,74.213 v1(116.865,76.556) ; v1(118.999,76.556) 118.999,76.583 122.194,79.777 122.352,79.777 122.376,79.802 129.844,79.802 134.975,84.933 140.965,84.933 142.668,86.635 147.214,86.635 150.872,90.293 150.872,109.248 150.728,109.392 150.728,138.68 v1(143.307,146.101)
NetB4_26: B4.26 U6.59 | length 130.2
  Top Layer w0.254: U6.59@102.041,71.152 104.921,71.152 v1(105.054,71.018) ; v1(117.069,77.521) 118.923,77.521 v1(118.974,77.572) ; B4.26@136.254,155.19 136.352,155.092 137.177,155.092 142.883,149.386 v1(142.883,146.718)
  Bottom Layer w0.254: v1(105.054,71.018) 114.209,71.018 117.419,74.229 117.419,76.785 117.069,77.136 v1(117.069,77.521) ; v1(118.974,77.572) 121.56,80.158 122.194,80.158 122.219,80.183 129.686,80.183 134.817,85.314 140.807,85.314 142.51,87.016 147.057,87.016 150.491,90.451 150.491,109.09 150.292,109.289 150.292,138.303 142.753,145.842 142.753,146.587 v1(142.883,146.718)
NetB4_27: B4.27 U6.58 | length 128.7
  Top Layer w0.254: U6.58@102.041,70.652 102.056,70.637 104.652,70.637 104.83,70.46 v1(105.664,70.46) ; B4.27@136.156,154.442 B4.27@136.254,154.54 136.352,154.442 137.246,154.442 142.265,149.423 v1(142.265,147.803)
  Bottom Layer w0.254: v1(105.664,70.46) 114.189,70.46 118.059,74.33 118.059,77.47 121.129,80.539 122.036,80.539 122.061,80.564 129.528,80.564 134.659,85.695 140.65,85.695 142.352,87.397 146.899,87.397 150.11,90.609 150.11,108.932 149.911,109.131 149.911,138.145 142.244,145.812 142.244,147.781 v1(142.265,147.803)
NetC9_1: C9.1 U3.4 | length 3.7
  Top Layer w0.254: C9.1@137.82,136.309 138.684,135.445 U3.4@138.684,132.918
NetC9_2: C9.2 U3.5 | length 1.8
  Top Layer w0.254: U3.5@138.176,132.918 C9.2@138.176,134.709
NetC11_2: C11.2 U3.6 | length 2.5
  Top Layer w0.254: C11.2@136.322,134.785 136.695,134.412 136.736,134.412 137.668,133.481 137.668,132.944 U3.6@137.693,132.918
NetC13_1: C13.1 U3.8 | length 3.2
  Top Layer w0.254: C13.1@133.515,133.096 134.899,133.096 135.941,132.055 U3.8@136.322,132.055
NetC30_2: C30.2 CR1.18 P30.15 R69.2 R87.2 S1.1 U6.14 | length 130.5
  Top Layer w0.254: v1(73.228,73) C30.2@73.228,74.155 ; C30.2@73.241,74.168 C30.2@73.228,74.155 ; v1(74.346,64.033) 81.966,64.033 83.16,62.84 83.16,59.131 88.24,54.051 120.548,54.051 ; v1(74.422,68.555) 73.087,68.555 73.05,68.591 70.613,68.591 S1.1@70.58,68.624 S1.1@70.58,74.124 73.197,74.124 C30.2@73.228,74.155 ; v1(84.226,72.644) 84.23,72.648 86.677,72.648 U6.14@86.681,72.652 ; P30.15@123.825,59.944 122.479,58.598 122.479,55.982 120.548,54.051 ; R87.2@126.199,72.39 126.199,72.34 126.522,72.017 126.572,72.017 127.596,70.993 v1(131.928,70.993) 134.874,70.993 136.906,73.025 136.906,74.266 CR1.18@136.91,74.27 ; v1(131.953,69.545) 131.946,69.538 131.946,58.184 127.813,54.051 120.548,54.051
  Bottom Layer w0.254: v1(73.228,73) 73.295,73 73.65,72.644 v1(84.226,72.644) ; v1(74.346,64.033) 74.346,68.478 v1(74.422,68.555) ; v1(131.928,70.993) 131.953,70.968 v1(131.953,69.545)
NetC32_2: C32.2 U6.12 Y1.3 | length 7.9
  Top Layer w0.254: C32.2@80.073,75.286 80.188,75.171 80.188,74.092 80.335,74.092 Y1.3@80.729,73.698 80.775,73.652 U6.12@86.681,73.652
NetC33_2: C33.2 R70.2 Y1.1 | length 3.7
  Top Layer w0.254: C33.2@76.708,72.047 76.759,72.098 Y1.1@78.529,72.098 78.602,72.025 R70.2@78.602,70.231
NetC42_2: C42.2 IC1.4 IC1.17 | length 12.1
  Top Layer w0.254: IC1.17@57.4,79.021 57.402,79.023 57.402,80.186 v1(57.404,80.188) ; v1(60.325,82.067) 62.549,84.291 C42.2@62.549,88.392
  Bottom Layer w0.254: v1(57.404,80.188) 58.445,80.188 v1(60.325,82.067)
NetC44_2: C44.2 CR1.5 Y2.1 | length 10.5
  Top Layer w0.254: C44.2@126.238,76.619 v1(126.238,77.572) 128.017,77.572 ccw(c128.017,77.632) Y2.1@128.059,77.589 ; v1(131.47,79.629) 131.537,79.629 131.923,79.243 132.936,79.243 CR1.5@132.944,79.236
  Bottom Layer w0.254: v1(126.238,77.572) 129.413,77.572 v1(131.47,79.629)
NetC45_2: C45.2 CR1.6 Y2.3 | length 4.5
  Top Layer w0.254: C45.2@130.213,80.518 130.259,80.472 Y2.3@130.259,78.778 130.301,78.736 CR1.6@132.944,78.736
NetC51_2: C51.2 CR1.7 R95.2 | length 11.7
  Top Layer w0.254: R95.2@128.563,85.852 128.886,85.529 128.886,85.401 C51.2@130.213,84.074 132.474,81.813 v1(133.299,81.813) ; CR1.7@132.944,78.236 132.951,78.229 134.141,78.229 v1(134.164,78.205)
  Bottom Layer w0.254: v1(133.299,81.813) 133.299,79.07 v1(134.164,78.205)
NetCR1_10: CR1.10 R91.1 R92.2 | length 8.7
  Top Layer w0.254: R92.2@130.009,72.136 R91.1@130.009,73.787 132.512,73.787 134.01,75.286 134.01,76.53 133.812,76.729 132.951,76.729 CR1.10@132.944,76.736 CR1.10@132.941,76.733
NetCR1_15: CR1.15
NetCR1_20: CR1.20 R94.2 | length 1.9
  Top Layer w0.254: CR1.20@137.91,74.27 137.91,72.363 R94.2@137.922,72.351
NetCR1_21: CR1.21 CR1.43 CR1.46 R85.2 | length 20.1
  Top Layer w0.254: CR1.46@135.41,82.702 135.403,82.695 135.403,81.301 v1(135.357,81.255) 136.294,81.255 136.906,81.866 136.906,82.698 CR1.43@136.91,82.702 ; v1(138.201,75.514) 138.41,75.306 CR1.21@138.41,74.27 ; R85.2@144.731,74.726 R85.2@144.731,74.676 144.882,74.827 v1(144.882,75.59)
  Bottom Layer w0.254: v1(135.357,81.255) 135.357,78.537 138.201,75.692 v1(138.201,75.514) 144.805,75.514 v1(144.882,75.59)